# KiCad board espiff_v3_1.kicad_pcb
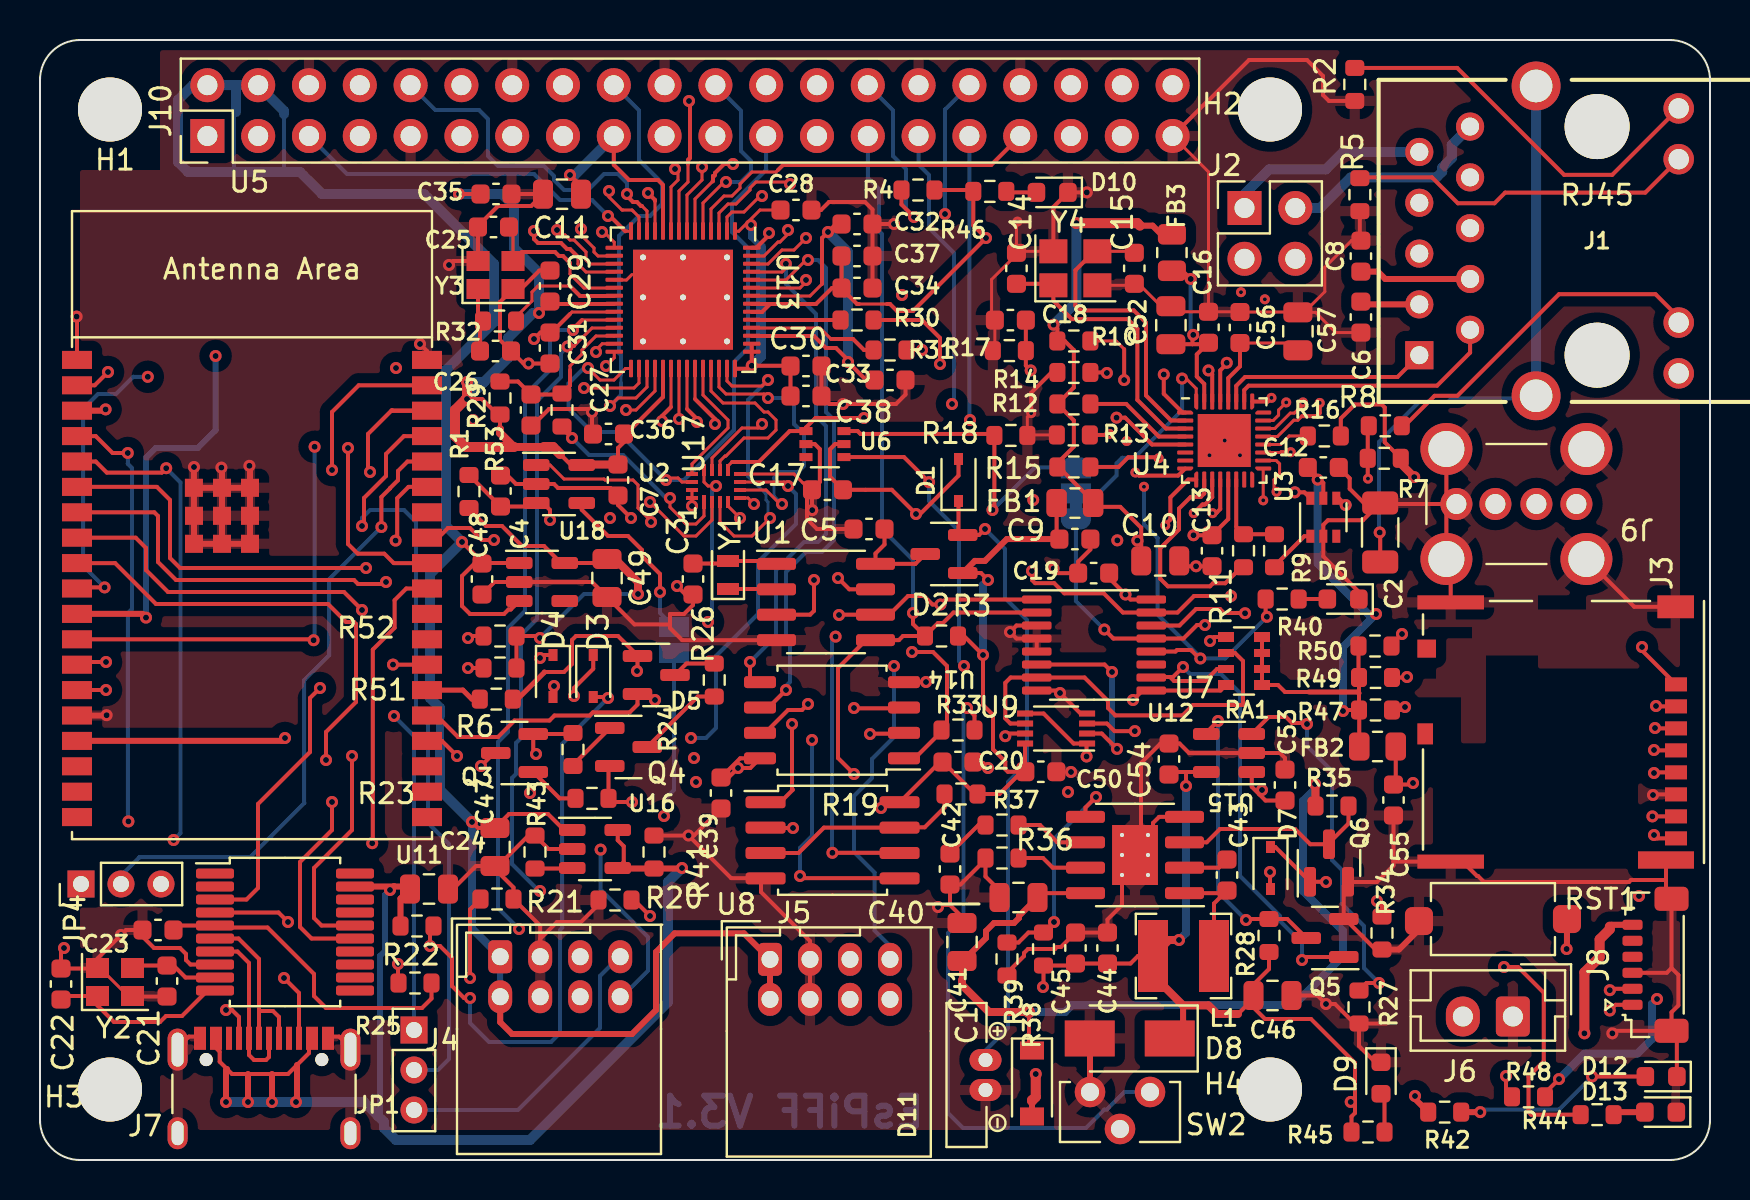
[diagram p0: board, top side]
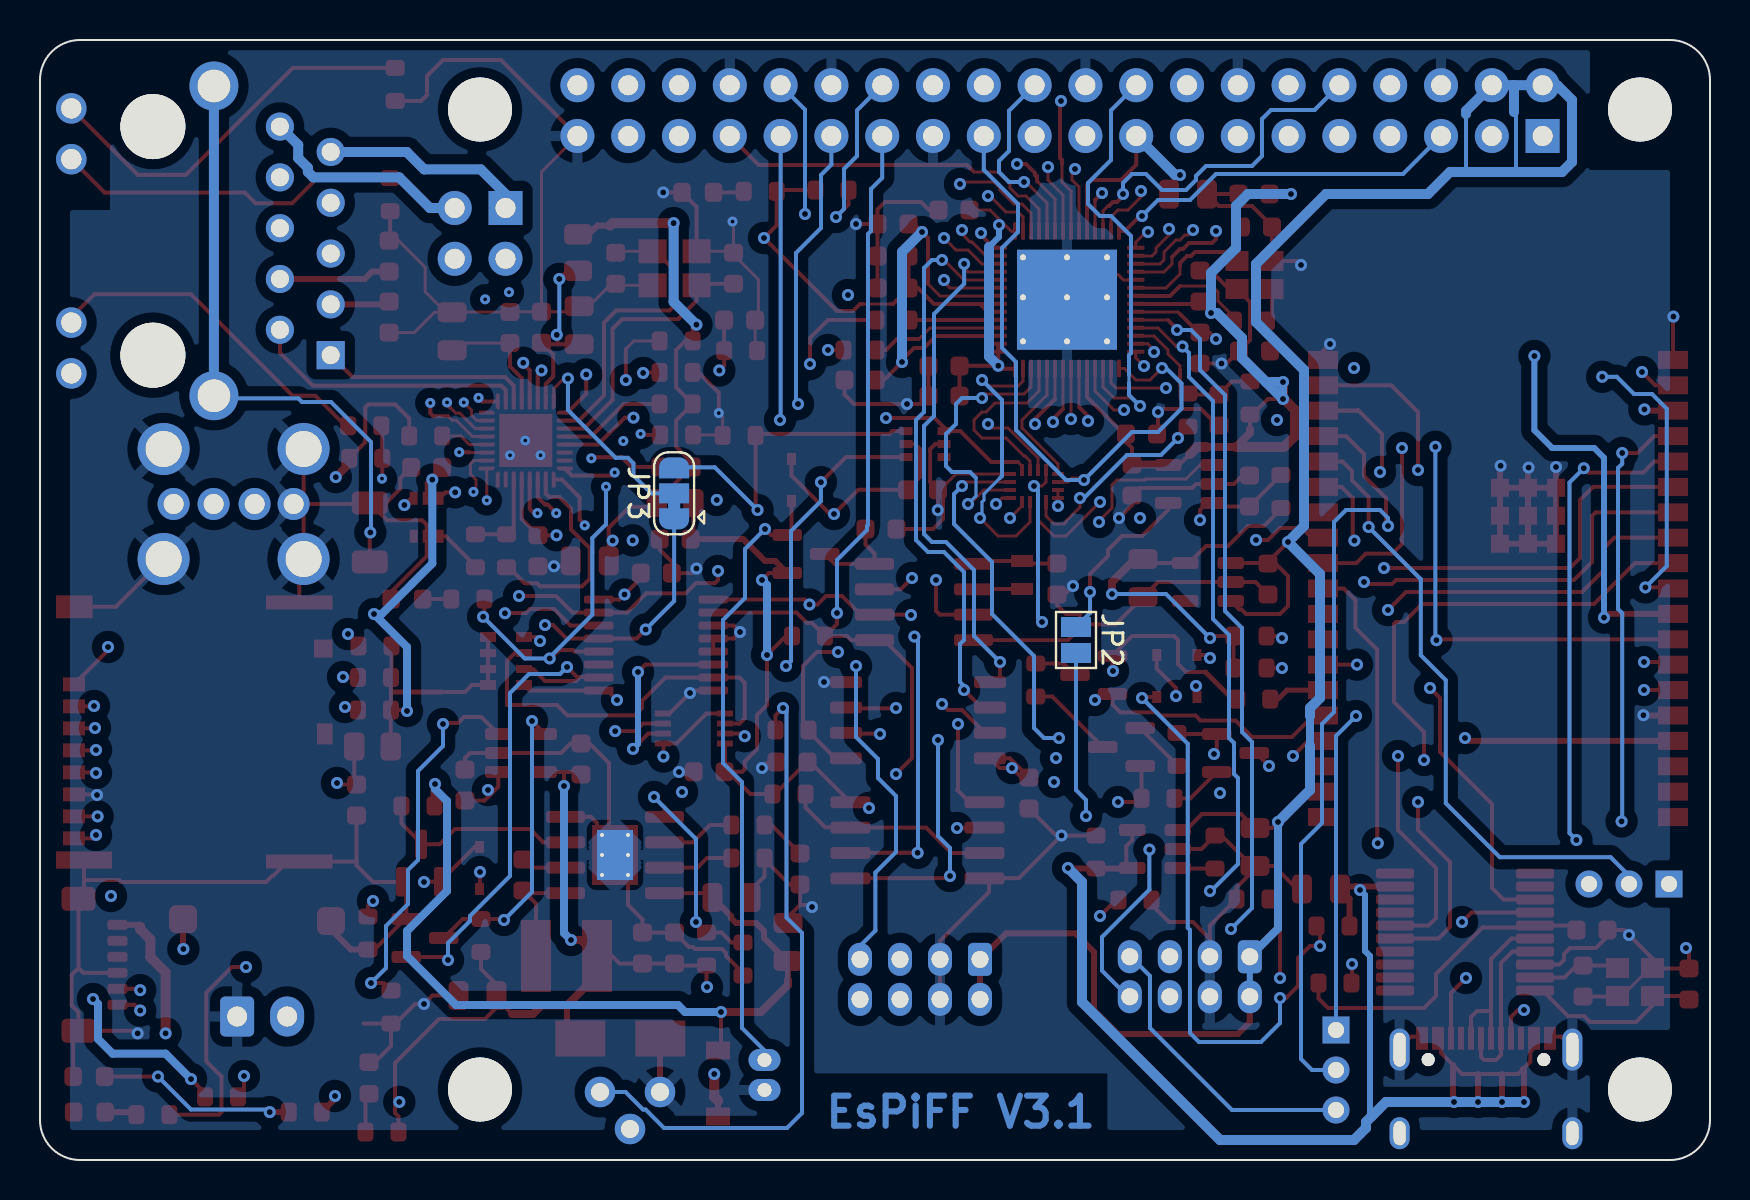
[diagram p1: board, bottom side, seen from below]

Outline 83.5 x 56 mm; copper layers: Top, In1.Cu, In2.Cu, In3.Cu, In4.Cu, Bottom. Coordinates in mm from the lower left corner of the outline.
Outline path: 0,54 0,2 arc(0.59,0.59) 2,0 81.5,0 arc(82.91,0.59) 83.5,2 83.5,54 arc(82.91,55.41) 81.5,56 2,56 arc(0.59,55.41) 0,54
Stack: Top 0.035mm / dielectric 0.2mm FR4 er 4.5 / In1.Cu 0.035mm / dielectric 1.065mm FR4 er 4.5 / In2.Cu 0.035mm / dielectric 0.2mm FR4 er 4.5 / In3.Cu 0.035mm / dielectric 0.48mm FR4 er 4.5 / In4.Cu 0.035mm / dielectric 0.48mm FR4 er 4.5 / Bottom 0.035mm

## Placement (name value [footprint] x y rotation side)
C1  220mF/4V  [supercap_DMS3R3224R]  47.28 4.25 90 top
C2  1n/2kV  [C_1206_3216Metric]  67.01 31.38 90 top
C3  22p  [C_0603_1608Metric]  32.65 29.05 90 top
C4  1u  [C_0603_1608Metric]  23.02 33.45 90 top
C5  100n  [C_0603_1608Metric]  41.45 31.55 180 top
C6  100n  [C_0603_1608Metric]  66.04 42.15 270 top
C7  100n  [C_0603_1608Metric]  28.9 34 270 top
C8  100n  [C_0603_1608Metric]  66.04 45.19 90 top
C9  1u  [C_0603_1608Metric]  51.74 31.05 0 top
C10  22u/6.3V  [C_0805_2012Metric]  56.01 29.95 0 top
C11  47u/6.3V  [C_0805_2012Metric]  26.1 48.29 180 top
C12  100n  [C_0603_1608Metric]  64.16 34.63 0 top
C13  100n  [C_0603_1608Metric]  58.6 30.46 270 top
C14  20p  [C_0603_1608Metric]  48.82 44.58 270 top
C15  20p  [C_0603_1608Metric]  54.72 44.58 90 top
C16  100n  [C_0603_1608Metric]  58.42 41.64 90 top
C17  100n  [C_0603_1608Metric]  39.37 33.51 180 top
C18  100n  [C_0603_1608Metric]  48.52 41.99 180 top
C19  100n  [C_0603_1608Metric]  52.68 29.34 180 top
C20  100n  [C_0603_1608Metric]  45.9 19.9 0 top
C21  27p  [C_0603_1608Metric]  6.35 8.95 90 top
C22  27p  [C_0603_1608Metric]  1.05 8.8 270 top
C23  100n  [C_0603_1608Metric]  5.9 11.5 180 top
C24  22u/6.3V  [C_0805_2012Metric]  19.45 13.55 0 top
C25  27p  [C_0603_1608Metric]  22.67 46.65 0 top
C26  27p  [C_0603_1608Metric]  22.77 40.45 180 top
C27  100n  [C_0603_1608Metric]  24.55 37.5 90 top
C28  100n  [C_0603_1608Metric]  37.8 47.5 180 top
C29  100n  [C_0603_1608Metric]  25.5 43.7 270 top
C30  100n  [C_0603_1608Metric]  38.3 39.7 180 top
C31  100n  [C_0603_1608Metric]  25.5 40.6 90 top
C32  100n  [C_0603_1608Metric]  40.85 46.8 180 top
C33  1u  [C_0603_1608Metric]  42.5 39 180 top
C34  100n  [C_0603_1608Metric]  40.85 43.6 180 top
C35  100n  [C_0603_1608Metric]  22.8 48.3 180 top
C36  100n  [C_0603_1608Metric]  28.42 36.3 0 top
C37  100n  [C_0603_1608Metric]  40.85 45.2 180 top
C38  1u  [C_0603_1608Metric]  38.3 38.2 180 top
C39  100n  [C_0603_1608Metric]  34.05 18.35 270 top
C40  10u/50V  [C_0805_2012Metric]  48.92 13.12 180 top
C41  10u/50V  [C_0805_2012Metric]  46.1 10.9 90 top
C42  2n7  [C_0603_1608Metric]  45.5 14.55 270 top
C43  100n  [C_0603_1608Metric]  59.35 14.25 270 top
C44  22u/10V  [C_0603_1608Metric]  53.38 10.6 90 top
C45  22u/10V  [C_0603_1608Metric]  51.78 10.6 90 top
C46  47u/6.3V  [C_0805_2012Metric]  61.62 8.22 0 top
C47  47u/6.3V  [C_0805_2012Metric]  22.75 15.65 270 top
C48  1u  [C_0603_1608Metric]  22.1 29.05 270 top
C49  47u/6.3V  [C_0805_2012Metric]  28.35 29.1 270 top
C50  100n  [C_0603_1608Metric]  50.04 19.41 0 top
C52  22u/6.3V  [C_0805_2012Metric]  56.54 41.74 90 top
C53  10u/10V  [C_0603_1608Metric]  62.25 18.75 90 top
C54  10u/10V  [C_0603_1608Metric]  56.45 20.05 90 top
C55  100n  [C_0603_1608Metric]  67.67 18 270 top
C56  100n  [C_0603_1608Metric]  60 41.62 90 top
C57  22u/6.3V  [C_0805_2012Metric]  62.89 41.43 90 top
D1  1N5819WS  [D_SOD-323]  45.92 34 90 top
D2  BAT54C  [SOT-23]  45.2 30.3 180 top
D3  1N5819WS  [D_SOD-323]  27.66 24.2 270 top
D4  1N5819WS  [D_SOD-323]  25.65 24.2 270 top
D5  BAT54C  [SOT-23]  30.81 24.25 0 top
D6  LEDblue  [LED_0603_1608Metric]  65.16 28.05 180 top
D7  1N5819  [D_SOD-323]  61.53 14.6 270 top
D8  SMAJ6.0  [D_SMA]  54.49 6.08 180 top
D9  LEDyellow  [LED_0603_1608Metric]  67.05 4.1 270 top
D10  LEDgreen  [LED_0603_1608Metric]  50.61 48.38 180 top
D11  SK4001  [D_SOD-123]  49.6 3.83 270 top
D12  LEDemerald  [LED_0603_1608Metric]  81.06 4.17 180 top
D13  LEDyellow  [LED_0603_1608Metric]  81.03 2.39 180 top
FB1  FB0805  [R_0805_2012Metric]  51.74 32.85 0 top
FB2  FB_800mA  [R_0805_2012Metric]  66.88 20.67 0 top
FB3  FB0805  [R_0805_2012Metric]  56.6 45.37 90 top
H1  MH  [MountingHole_M3_3.2mm]  3.5 52.5 0 top
H2  MH  [MountingHole_M3_3.2mm]  61.5 52.5 0 top
H3  MH  [MountingHole_M3_3.2mm]  3.5 3.5 0 top
H4  MH  [MountingHole_M3_3.2mm]  61.5 3.5 0 top
J1  HY931147C_PoE  [HY931147C]  77.86 45.96 180 top
J2  ConPoE_2x2  [PinHeader_2x02_P2.54mm_Vertical]  60.22 47.6 0 top
J3  SDcard_molex  [MOLEX_503398-1892]  76.17 21.4 270 top
J4  ConDF11_2x4  [DF11-8DP-2DS(52)]  23.05 10.1 0 top
J5  ConDF11_2x4  [DF11-8DP-2DS(52)]  36.54 9.97 0 top
J6  Con_24Vin  [JST_EH_B2B-EH-A_1x02_P2.50mm_Vertical]  73.64 7.17 180 top
J7  USB_C_Receptacle_USB2.0  [USB_C_XKB_U262-16XN-4BVC11]  10.98 2.44 0 top
J8  HMI_ESP32c3_hostSide  [JST_SUR_SM06B-SURS-TF_1x06-1MP_P0.80mm_Horizontal]  80.78 9.76 90 top
J9  USB_A  [USB_A_C26235]  77.32 32.8 180 top
J10  Raspberry_Pi_2_3  [PinHeader_2x20_P2.54mm_Vertical]  8.37 51.2 90 top
JP1  JP_HF_USB_MOSI  [PinHeader_1x03_P2.00mm_Vertical]  18.7 6.5 0 top
JP2  JP_WTI  [SolderJumper-2_P1.3mm_Open_Pad1.0x1.5mm]  31.7 26 270 bottom
JP3  JP_ResetSel  [SolderJumper-3_P1.3mm_Bridged12_RoundedPad1.0x1.5mm]  51.79 33.33 90 bottom
JP4  JP_HF_USB_MISO  [PinHeader_1x03_P2.00mm_Vertical]  2.05 13.8 90 top
L1  6uH8  [L_Bourns-SRN4018]  57.17 10.2 180 top
Q3  BC817  [SOT-23]  23.73 20.35 180 top
Q4  BC817  [SOT-23]  29.42 20.65 0 top
Q5  2N7002  [SOT-23]  64.25 11.1 180 top
Q6  2N7002  [SOT-23]  64.45 14.85 90 top
R1  10k  [R_0603_1608Metric]  21.45 33.42 90 top
R2  1k  [R_0603_1608Metric]  65.74 53.78 270 top
R3  2.2k  [R_0603_1608Metric]  45.08 26.2 180 top
R4  2.2k  [R_0603_1608Metric]  43.9 48.5 180 top
R5  5k1  [R_0603_1608Metric]  65.99 48.27 90 top
R6  27R  [R_0603_1608Metric]  22.81 23.05 180 top
R7  5k1  [R_0603_1608Metric]  67.21 35.08 180 top
R8  1k  [R_0603_1608Metric]  67.26 36.71 180 top
R9  27R  [R_0603_1608Metric]  61.73 30.46 270 top
R10  5k1  [R_0603_1608Metric]  51.69 40.95 0 top
R11  0R  [R_0603_1608Metric]  60.18 30.46 270 top
R12  5k1  [R_0603_1608Metric]  51.69 37.8 0 top
R13  6k19  [R_0603_1608Metric]  51.67 36.25 180 top
R14  5k1  [R_0603_1608Metric]  51.69 39.38 180 top
R15  5k1  [R_0603_1608Metric]  51.69 34.65 0 top
R16  5k1  [R_0603_1608Metric]  64.22 36.2 180 top
R17  10k  [R_0603_1608Metric]  48.47 40.47 180 top
R18  10k  [R_0603_1608Metric]  48.54 36.23 0 top
R19  10k  [R_0603_1608Metric]  46.05 18.3 180 top
R20  5k1  [R_0603_1608Metric]  28.75 13 180 top
R21  5k1  [R_0603_1608Metric]  22.85 13.05 0 top
R22  10k  [R_0603_1608Metric]  18.85 11.7 0 top
R23  1k  [R_0603_1608Metric]  27.6 18.08 180 top
R24  1k  [R_0603_1608Metric]  26.65 20.52 270 top
R25  10k  [R_0603_1608Metric]  18.75 8.85 180 top
R26  220R  [R_0603_1608Metric]  33.71 24 90 top
R27  3k3  [R_0603_1608Metric]  65.95 7.65 270 top
R28  10k  [R_0603_1608Metric]  61.45 11.22 90 top
R29  10k  [R_0603_1608Metric]  23 38.1 90 top
R30  27R  [R_0603_1608Metric]  40.85 42 180 top
R31  27R  [R_0603_1608Metric]  42.5 40.5 180 top
R32  1k  [R_0603_1608Metric]  22.98 41.95 0 top
R33  1k  [R_0603_1608Metric]  45.9 21.5 0 top
R34  10k  [R_0603_1608Metric]  67.1 11.35 270 top
R35  10k  [R_0603_1608Metric]  64.6 17.7 0 top
R36  120k  [R_0603_1608Metric]  48.1 15.1 180 top
R37  24k  [R_0603_1608Metric]  48.1 16.75 180 top
R38  62k  [R_0603_1608Metric]  50.17 10.55 90 top
R39  12k  [R_0603_1608Metric]  48.35 10.05 270 top
R40  3k3  [R_0603_1608Metric]  62.11 28.05 180 top
R41  10k  [R_0603_1608Metric]  30.7 15.4 90 top
R42  3k3  [R_0603_1608Metric]  70.23 2.39 180 top
R43  3k3  [R_0603_1608Metric]  24.75 15.4 90 top
R44  3k3  [R_0603_1608Metric]  77.86 2.27 180 top
R45  4k7  [R_0603_1608Metric]  66.4 1.4 0 top
R46  3k3  [R_0603_1608Metric]  47.49 48.43 0 top
R47  10k  [R_0603_1608Metric]  66.78 22.5 0 top
R48  10k  [R_0603_1608Metric]  74.43 3.16 180 top
R49  10k  [R_0603_1608Metric]  66.78 24.12 0 top
R50  10k  [R_0603_1608Metric]  66.75 25.7 0 top
R51  10k  [R_0603_1608Metric]  23 24.6 180 top
R52  10k  [R_0603_1608Metric]  23 26.2 180 top
R53  1k  [R_0603_1608Metric]  26.1 37.5 270 top
RA1  10k  [R_Array_Convex_4x0603]  60.2 24.95 180 top
RST1  Reset  [Btn_KEY-SMD_JCLPCB_C698192]  72.65 12.05 0 top
SW2  USB_BOOT  [Btn_TC-1109DE-C-F]  52.5 3.4 0 top
U1  PCF8563T  [SOIC-8_3.9x4.9mm_P1.27mm]  39.3 27.9 0 top
U2  APX823  [SOT-23-5]  25.95 33.8 0 top
U3  741G3157  [SOT-363_SC-70-6]  64.16 32.14 90 top
U4  IP101GR  [QFN-32-1EP_4x4mm_P0.4mm_EP2.65x2.65mm]  59.21 35.97 0 top
U5  -  [ESP32-WROVER-E]  10.6 31.75 0 top
U6  741G3157  [SOT-363_SC-70-6]  39.25 35.8 0 top
U7  PCA9557PW  [TSSOP-16_4.4x5mm_P0.65mm]  52.7 25.75 0 top
U8  FM25CL64B  [SOIC8_W+N_combi]  39.63 15.93 0 top
U9  74xx2G32  [VSSOP-8_2.3x2mm_P0.5mm]  50.8 21.57 180 top
U11  CH340T  [SSOP-20_5.3x7.2mm_P0.65mm]  12.25 11.4 0 top
U12  MT9700  [SOT-23-5]  59.45 20.35 180 top
U13  RP2040_alternateFuncs  [QFN56_ThermalVias_0.3]  31.95 44.13 270 top
U14  W25Q128  [SOIC8_5.23x5.23mm_P1.27mm_mdc]  39.85 22.45 180 top
U15  RT7272  [SOIC8-1EP_3.9x4.9mm_P1.27_ThermalVias]  54.75 15.25 180 top
U16  MT9700  [SOT-23-5]  27.75 15.55 0 top
U17  TS3A5018  [UQFN-16_1.8x2.6_P0.4mm]  33.8 33.7 90 top
U18  ME6211  [SOT-23-5]  25.1 28.9 0 top
Y1  32kHz  [Crystal_SMD_2012-2Pin_2.0x1.2mm]  34.4 29.25 90 top
Y2  12MHz  [Crystal_SMD_2520-4Pin_2.5x2.0mm]  3.75 8.9 0 top
Y3  12MHz  [Crystal_SMD_2520-4Pin_2.5x2.0mm]  22.77 44.25 0 top
Y4  25MHz  [Crystal_SMD_3225-4Pin_3.2x2.5mm]  51.77 44.58 0 top

## Library data of the parts
C1 = -: JCLPCB: C113705; MfgNo: DMS3R3224R; price@1: 0.41; price@reel: 0.27
C2 = -: JCLPCB: C9196; MfgNo: 1206B102K202NT; price@1: 0.006; price@reel: 0.005
C3 = -: JCLPCB: C1653; MfgNo: CL10C220JB8NNNC; price@1: 0.003; price@reel: 0.002
C4 C33 C38 C48 = -: JCLPCB: C15849; MfgNo: CL10A105KB8NNNC; price@1: 0.006; price@reel: 0.004
C5-C8 C12 C13 C16-C20 C23 C27-C32 C34-C37 C39 C43 C50 C55 C56 = -: JCLPCB: C14663; MfgNo: CC0603KRX7R9BB104; price@1: 0.003; price@reel: 0.002
C9 = -: JCLPCB: C15849; MfgNo: CL10A105KB8NNNC; price@1: 0.003; price@reel: 0.002
C10 C24 C52 C57 = -: JCLPCB: C59461; MfgNo: CL10A226MQ8NRNC; price@1: 0.005; price@reel: 0.005
C11 C46 C47 C49 = -: JCLPCB: C16780; MfgNo: CL21A476MQYNNNE; price@1: 0.03; price@reel: 0.02
C14 C15 = -: JCLPCB: C1648; MfgNo: CL10C200JB8NNNC; price@1: 0.007; price@reel: 0.006
C21 C22 C25 C26 = -: JCLPCB: C1656; MfgNo: CL10C270JB8NNNC; price@1: 0.003; price@reel: 0.002
C40 C41 = -: JCLPCB: C440198; MfgNo: GRM21BR61H106KE43L; price@1: 0.10; price@reel: 0.07
C42 = -: JCLPCB: C1609; MfgNo: 0603B272K500NT; price@1: 0.003; price@reel: 0.002
C44 C45 = -: JCLPCB: C86295; MfgNo: CL10A226MP8NUNE; price@1: 0.02; price@reel: 0.01
C53 C54 = -: JCLPCB: C19702; MfgNo: CL10A106KP8NNNC; price@1: 0.007; price@reel: 0.005
D1 D3 D4 = -: JCLPCB: C191023; price@1: 0.02; price@reel: 0.02
D2 D5 = -: JCLPCB: C37704; MfgNo: BAT54C,215; price@1: 0.03; price@reel: 0.02
D6 = -: JCLPCB: C72041; MfgNo: 19-217/BHC-ZL1M2RY/3T; price@1: 0.03; price@reel: 0.02
D7 = -: JCLPCB: C191023; MfgNo: 1N5819WS; price@1: 0.02; price@reel: 0.02
D8 = -: JCLPCB: C698928; MfgNo: SMAJ6.0CA; price@1: 0.06; price@reel: 0.04
D9 = -: JCLPCB: C72038; MfgNo: 19-213/Y2C-CQ2R2L/3T(CY); price@1: 0.03; price@reel: 0.02
D10 = -: JCLPCB: C72043; MfgNo: 19-217/GHC-YR1S2/3T; price@1: 0.03; price@reel: 0.02
D11 = -: JCLPCB: C183406; price@1: 0.02; price@reel: 0.01
D12 = -: JCLPCB: C72043; MfgNo: 19-217/GHC-YR1S2/3T; price@1: 0.02; price@reel: 0.01
D13 = -: JCLPCB: C72038; MfgNo: 19-213/Y2C-CQ2R2L/3T(CY); price@1: 0.04; price@reel: 0.02
FB1 FB3 = -: JCLPCB: C98308; MfgNo: UPZ2012E601-2R0TF; price@1: 0.02; price@reel: 0.01
FB2 = -: JCLPCB: C1015; MfgNo: GZ2012D101TF; price@1: 0.01; price@reel: 0.01
H1-H4 JP2 = -: JCLPCB: DNP; MfgNo: DNP
J1 = -: JCLPCB: C91754; MfgNo: HY931147C; price@1: 2.57; price@reel: 2.57
J2 = -: JCLPCB: C66690; MfgNo: C66690; price@1: 0.03; price@reel: 0.02
J3 = -: JCLPCB: C428492; MfgNo: 5033981892; price@1: 0.59; price@reel: 0.38
J4 J5 = -: JCLPCB: C531042; MfgNo: DF11-8DP-2DS(52); price@1: 0.87; price@reel: 0.58
J7 = -: JCLPCB: C319148; MfgNo: XKB_U262-16XN-4BVC11; price@1: 0.35; price@reel: 0.21
J8 = -: JCLPCB: C495545; MfgNo: SM06B-SURS-TF(LF)(SN); price@1: 0.32; price@reel: 0.18
J9 = -: JCLPCB: C26235; MfgNo: C26235; price@1: 0.2; price@reel: 0.14
J10 = -: JCLPCB: C124383; MfgNo: B-2100S40P-B110; price@1: 0.27; price@reel: 0.19
JP1 JP4 = -: JCLPCB: C541857; MfgNo: PZ200V-11-03P; price@1: 0.02; price@reel: 0.01
L1 = -: JCLPCB: C408338; MfgNo: MWSA0402S-6R8MT; price@1: 0.16; price@reel: 0.11
Q3 Q4 = -: JCLPCB: C8589; MfgNo: BC817-40; price@1: 0.03; price@reel: 0.02
Q5 Q6 = -: JCLPCB: C8545; price@1: 0.03; price@reel: 0.02
R1 R17-R19 R22 R25 R28 R29 R34 R35 R41 R47-R52 = -: JCLPCB: C25804; MfgNo: 0603WAF1002T5E; price@1: 0.003; price@reel: 0.002
R2 R8 R23 R24 R32 R33 R53 = -: JCLPCB: C21190; MfgNo: 0603WAF1001T5E; price@1: 0.003; price@reel: 0.002
R3 R4 = -: JCLPCB: C4190; MfgNo: 0603WAF2201T5E; price@1: 0.003; price@reel: 0.002
R5 R7 R10 R12 R14-R16 R20 R21 = -: JCLPCB: C23186; MfgNo: 0603WAF5101T5E; price@1: 0.003; price@reel: 0.002
R6 R9 R30 R31 = -: JCLPCB: C25190; MfgNo: 0603WAF270JT5E; price@1: 0.003; price@reel: 0.002
R11 = -: JCLPCB: C21189; MfgNo: 0603WAF0000T5E; price@1: 0.003; price@reel: 0.002
R13 = -: JCLPCB: C25978; MfgNo: 0603WAF6191T5E; price@1: 0.003; price@reel: 0.002
R26 = -: JCLPCB: C22962; MfgNo: 0603WAF2200T5E; price@1: 0.003; price@reel: 0.002
R27 R40 R42-R44 R46 = -: JCLPCB: C22978; MfgNo: 0603WAF3301T5E; price@1: 0.003; price@reel: 0.002
R36 = -: JCLPCB: C25808; MfgNo: 0603WAF1203T5E; price@1: 0.003; price@reel: 0.002
R37 = -: JCLPCB: C23352; MfgNo: 0603WAF2402T5E; price@1: 0.003; price@reel: 0.002
R38 = -: JCLPCB: C23221; MfgNo: 0603WAF6202T5E; price@1: 0.003; price@reel: 0.002
R39 = -: JCLPCB: C22790; MfgNo: 0603WAF1202T5E; price@1: 0.003; price@reel: 0.002
R45 = -: JCLPCB: C23162; MfgNo: 0603WAF4701T5E; price@1: 0.003; price@reel: 0.002
RA1 = -: JCLPCB: C109324; MfgNo: 4D03WGF1002T5(E); price@1: 0.02; price@reel: 0.008
RST1 = -: JCLPCB: C698192; MfgNo: UK-B0240-R-250-JZ; price@1: 0.06; price@reel: 0.04
SW2 = -: JCLPCB: C400335; MfgNo: TC-1109DE-C-H; price@1: 0.04; price@reel: 0.03
U1 = -: JCLPCB: C7440; MfgNo: PCF8563T/5,518; price@1: 0.94; price@reel: 0.64
U2 = -: JCLPCB: C156283; MfgNo: APX823-26W5G-7; price@1: 0.25; price@reel: 0.16
U3 U6 = -: JCLPCB: C394901; MfgNo: SGM3157; price@1: 0.08; price@reel: 0.06
U4 = -: JCLPCB: C910373; MfgNo: IP101GRI; price@1: 1.86; price@reel: 1.32
U5 = -: JCLPCB: C529592; MfgNo: ESP32-WROVER-IB(16MB); price@1: 5.21; price@reel: 4.04
U7 = -: JCLPCB: C141380; MfgNo: PCA9557PW,118; price@1: 0.65; price@reel: 0.48
U8 = -: JCLPCB: C9830; MfgNo: FM25CL64B-GTR; price@1: 3.26; price@reel: 2.23
U9 = -: JCLPCB: C91874; MfgNo: SN74LVC2G32DCUR; price@1: 0.27; price@reel: 0.2
U11 = -: JCLPCB: C8689; price@1: 0.66; price@reel: 0.41
U12 U16 = -: JCLPCB: C89855; price@1: 0.11; price@reel: 0.07
U13 = -: JCLPCB: C2040; MfgNo: RP2040; price@1: 1.35; price@reel: 0.95
U14 = -: JCLPCB: C97521; MfgNo: W25Q128JVSIQ; price@1: 1.05; price@reel: 0.72
U15 = -: JCLPCB: C127866; MfgNo: RT7272BGSP; price@1: 0.65; price@reel: 0.43
U17 = -: JCLPCB: C201641; MfgNo: TS3A5018RSVR; price@1: 0.84; price@reel: 0.60
U18 = -: JCLPCB: C82942; MfgNo: ME6211C33M5G-N; price@1: 0.07; price@reel: 0.05
Y1 = -: JCLPCB: C403709; MfgNo: TJXM32768K2TGDCNT2T; price@1: 0.29; price@reel: 0.21
Y2 Y3 = -: JCLPCB: C479184; MfgNo: S22120001210120; price@1: 0.14; price@reel: 0.09
Y4 = -: JCLPCB: C9006; MfgNo: X322525MOB4SI; price@1: 0.08; price@reel: 0.05

## Footprints (pads in the part's own frame, mm; a bottom-side part is the same pattern mirrored in y, then rotated)
Btn_KEY-SMD_JCLPCB_C698192
  rrect 1.4x1.4 smd: 1(-3.7,-0.1) 2(3.7,0)
Btn_TC-1109DE-C-F
  round 1.524 hole 0.9: 1(0,0) 2(3,0) 3(1.5,-1.85)
C_0603_1608Metric
  rrect 0.9x0.95 smd: 1(-0.775,0) 2(0.775,0)
C_0805_2012Metric
  rrect 1x1.45 smd: 1(-0.95,0) 2(0.95,0)
C_1206_3216Metric
  rrect 1.15x1.8 smd: 1(-1.475,0) 2(1.475,0)
Crystal_SMD_2012-2Pin_2.0x1.2mm
  rect 0.6x1.1 smd: 1(-0.7,0) 2(0.7,0)
Crystal_SMD_2520-4Pin_2.5x2.0mm
  rect 1.15x1 smd: 1(-0.875,-0.7) 2(0.875,-0.7) 3(0.875,0.7) 4(-0.875,0.7)
Crystal_SMD_3225-4Pin_3.2x2.5mm
  rect 1.4x1.2 smd: 1(-1.1,-0.85) 2(1.1,-0.85) 3(1.1,0.85) 4(-1.1,0.85)
D_SMA
  rect 2.5x1.8 smd: 1(-2,0) 2(2,0)
D_SOD-123
  rect 0.9x1.2 smd: 1(-1.65,0) 2(1.65,0)
D_SOD-323
  rect 0.6x0.45 smd: 1(-1.05,0) 2(1.05,0)
DF11-8DP-2DS(52)
  rrect 1.2x1.65 hole 0.85: 1(-0.04,0.063)
  oval 1.2x1.65 hole 0.85: 2(-0.04,-1.937) 3(1.96,0.063) 4(1.96,-1.937) 5(3.96,0.063) 6(3.96,-1.937) 7(5.96,0.063) 8(5.96,-1.937)
ESP32-WROVER-E
  rect 1.5x0.9 smd: 1(-8.75,8.255) 2(-8.75,6.985) 3(-8.75,5.715) 4(-8.75,4.445) 5(-8.75,3.175) 6(-8.75,1.905) 7(-8.75,0.635) 8(-8.75,-0.635) 9(-8.75,-1.905) 10(-8.75,-3.175) 11(-8.75,-4.445) 12(-8.75,-5.715) 13(-8.75,-6.985) 14(-8.75,-8.255) 15(-8.75,-9.525) 16(-8.75,-10.795) 17(-8.75,-12.065) 18(-8.75,-13.335) 19(-8.75,-14.605) 20(8.75,-14.605) 21(8.75,-13.335) 22(8.75,-12.065) 23(8.75,-10.795) 24(8.75,-9.525) 25(8.75,-8.255) 26(8.75,-6.985) 27(8.75,-5.715) 28(8.75,-4.445) 29(8.75,-3.175) 30(8.75,-1.905) 31(8.75,-0.635) 32(8.75,0.635) 33(8.75,1.905) 34(8.75,3.175) 35(8.75,4.445) 36(8.75,5.715) 37(8.75,6.985) 38(8.75,8.255)
  rect 0.9x0.9 smd: 39(-2.905,1.86) 39(-2.9,0.46) 39(-2.9,-0.94) 39(-1.5,1.86) 39(-1.5,0.46) 39(-1.5,-0.94) 39(-0.1,1.86) 39(-0.1,0.46) 39(-0.1,-0.94)
HY931147C
  round 3.25 hole 3.25 unplated: (0,5.715) (0,-5.715)
  rect 1.408x1.408 hole 0.9: 1(8.89,5.715)
  round 1.408 hole 0.9: 2(6.35,4.445) 3(8.89,3.175) 4(6.35,1.905) 5(8.89,0.635) 6(6.35,-0.635) 7(8.89,-1.905) 8(6.35,-3.175) 9(8.89,-4.445) 10(6.35,-5.715)
  round 1.524 hole 1.016: 11(-4.08,6.625) 12(-4.08,4.085) 13(-4.08,-4.085) 14(-4.08,-6.625)
  round 2.445 hole 1.63: GND(3.05,7.745) GND(3.05,-7.745)
JST_EH_B2B-EH-A_1x02_P2.50mm_Vertical
  rrect 1.7x2 hole 1: 1(0,0)
  oval 1.7x2 hole 1: 2(2.5,0)
JST_SUR_SM06B-SURS-TF_1x06-1MP_P0.80mm_Horizontal
  rrect 0.5x1 smd: 1(-2,1.15) 2(-1.2,1.15) 3(-0.4,1.15) 4(0.4,1.15) 5(1.2,1.15) 6(2,1.15)
  rrect 1.2x1.7 smd: MP(-3.3,-0.8) MP(3.3,-0.8)
L_Bourns-SRN4018
  rect 1.5x3.6 smd: 1(-1.525,0) 2(1.525,0)
LED_0603_1608Metric
  rrect 0.875x0.95 smd: 1(-0.787,0) 2(0.787,0)
MOLEX_503398-1892
  rect 0.7x1.1 smd: 1(-2.38,5.625) 2(-1.28,5.625) 3(-0.18,5.625) 4(0.92,5.625) 5(2.02,5.625) 6(3.12,5.625) 7(4.22,5.625) 8(5.32,5.625)
  rect 0.9x0.93 smd: 9(-4.17,-6.84)
  rect 1.05x0.78 smd: 10(0.095,-6.915)
  rect 1.14x1.83 smd: P1(-6.26,5.61)
  rect 0.86x2.8 smd: P2(6.4,5.125)
  rect 0.7x3.33 smd: P3(-6.48,-5.64) P4(6.48,-5.64)
MountingHole_M3_3.2mm
  round 3.2 hole 3.2 unplated: (0,0.025)
PinHeader_1x03_P2.00mm_Vertical
  rect 1.35x1.35 hole 0.8: 1(0,0)
  oval 1.35x1.35 hole 0.8: 2(0,-2) 3(0,-4)
PinHeader_2x02_P2.54mm_Vertical
  rect 1.7x1.7 hole 1: 1(0,0)
  oval 1.7x1.7 hole 1: 2(2.54,0) 3(0,-2.54) 4(2.54,-2.54)
PinHeader_2x20_P2.54mm_Vertical
  rect 1.7x1.7 hole 1: 1(0,0)
  oval 1.7x1.7 hole 1: 2(2.54,0) 3(0,-2.54) 4(2.54,-2.54) 5(0,-5.08) 6(2.54,-5.08) 7(0,-7.62) 8(2.54,-7.62) 9(0,-10.16) 10(2.54,-10.16) 11(0,-12.7) 12(2.54,-12.7) 13(0,-15.24) 14(2.54,-15.24) 15(0,-17.78) 16(2.54,-17.78) 17(0,-20.32) 18(2.54,-20.32) 19(0,-22.86) 20(2.54,-22.86) 21(0,-25.4) 22(2.54,-25.4) 23(0,-27.94) 24(2.54,-27.94) 25(0,-30.48) 26(2.54,-30.48) 27(0,-33.02) 28(2.54,-33.02) 29(0,-35.56) 30(2.54,-35.56) 31(0,-38.1) 32(2.54,-38.1) 33(0,-40.64) 34(2.54,-40.64) 35(0,-43.18) 36(2.54,-43.18) 37(0,-45.72) 38(2.54,-45.72) 39(0,-48.26) 40(2.54,-48.26)
QFN56_ThermalVias_0.3
  rrect 1.084x1.084 smd: (-0.792,2.112) (-0.792,0.838) (-0.792,-0.438) (-0.792,-1.712) (0.482,2.112) (0.482,0.838) (0.482,-0.438) (0.482,-1.712) (1.758,2.112) (1.758,0.838) (1.758,-0.438) (1.758,-1.712) (3.033,2.112) (3.033,0.838) (3.033,-0.438) (3.033,-1.712)
  rrect 0.875x0.2 smd: 1(-2.317,2.8) 2(-2.317,2.4) 3(-2.317,2) 4(-2.317,1.6) 5(-2.317,1.2) 6(-2.317,0.8) 7(-2.317,0.4) 8(-2.317,0) 9(-2.317,-0.4) 10(-2.317,-0.8) 11(-2.317,-1.2) 12(-2.317,-1.6) 13(-2.317,-2) 14(-2.317,-2.4) 29(4.558,-2.4) 30(4.558,-2) 31(4.558,-1.6) 32(4.558,-1.2) 33(4.558,-0.8) 34(4.558,-0.4) 35(4.558,0) 36(4.558,0.4) 37(4.558,0.8) 38(4.558,1.2) 39(4.558,1.6) 40(4.558,2) 41(4.558,2.4) 42(4.558,2.8)
  rrect 0.2x0.875 smd: 15(-1.48,-3.237) 16(-1.08,-3.237) 17(-0.68,-3.237) 18(-0.28,-3.237) 19(0.12,-3.237) 20(0.52,-3.237) 21(0.92,-3.237) 22(1.32,-3.237) 23(1.72,-3.237) 24(2.12,-3.237) 25(2.52,-3.237) 26(2.92,-3.237) 27(3.32,-3.237) 28(3.72,-3.237) 43(3.72,3.638) 44(3.32,3.638) 45(2.92,3.638) 46(2.52,3.638) 47(2.12,3.638) 48(1.72,3.638) 49(1.32,3.638) 50(0.92,3.638) 51(0.52,3.638) 52(0.12,3.638) 53(-0.28,3.638) 54(-0.68,3.638) 55(-1.08,3.638) 56(-1.48,3.638)
  round 0.5 hole 0.3: 57(-1,2.4) 57(-1,0.2) 57(-1,-1.8) 57(1,2.4) 57(1,0.2) 57(1,-1.8) 57(3.2,2.4) 57(3.2,0.2) 57(3.2,-1.8)
  rect 5x5 smd: 57(1.12,0.2)
  rect 5x5 smd far side: 57(1.12,0.2)
QFN-32-1EP_4x4mm_P0.4mm_EP2.65x2.65mm
  rrect 1.07x1.07 smd: (-0.66,0.66) (-0.66,-0.66) (0.66,0.66) (0.66,-0.66)
  custom 0.129x0.129 smd: 1(-1.95,1.4) 8(-1.95,-1.4) 9(-1.4,-1.95) 16(1.4,-1.95) 17(1.95,-1.4) 24(1.95,1.4) 25(1.4,1.95) 32(-1.4,1.95)
  rrect 0.8x0.2 smd: 2(-1.95,1) 3(-1.95,0.6) 4(-1.95,0.2) 5(-1.95,-0.2) 6(-1.95,-0.6) 7(-1.95,-1) 18(1.95,-1) 19(1.95,-0.6) 20(1.95,-0.2) 21(1.95,0.2) 22(1.95,0.6) 23(1.95,1)